# KiCad board panel.kicad_pcb (continued)
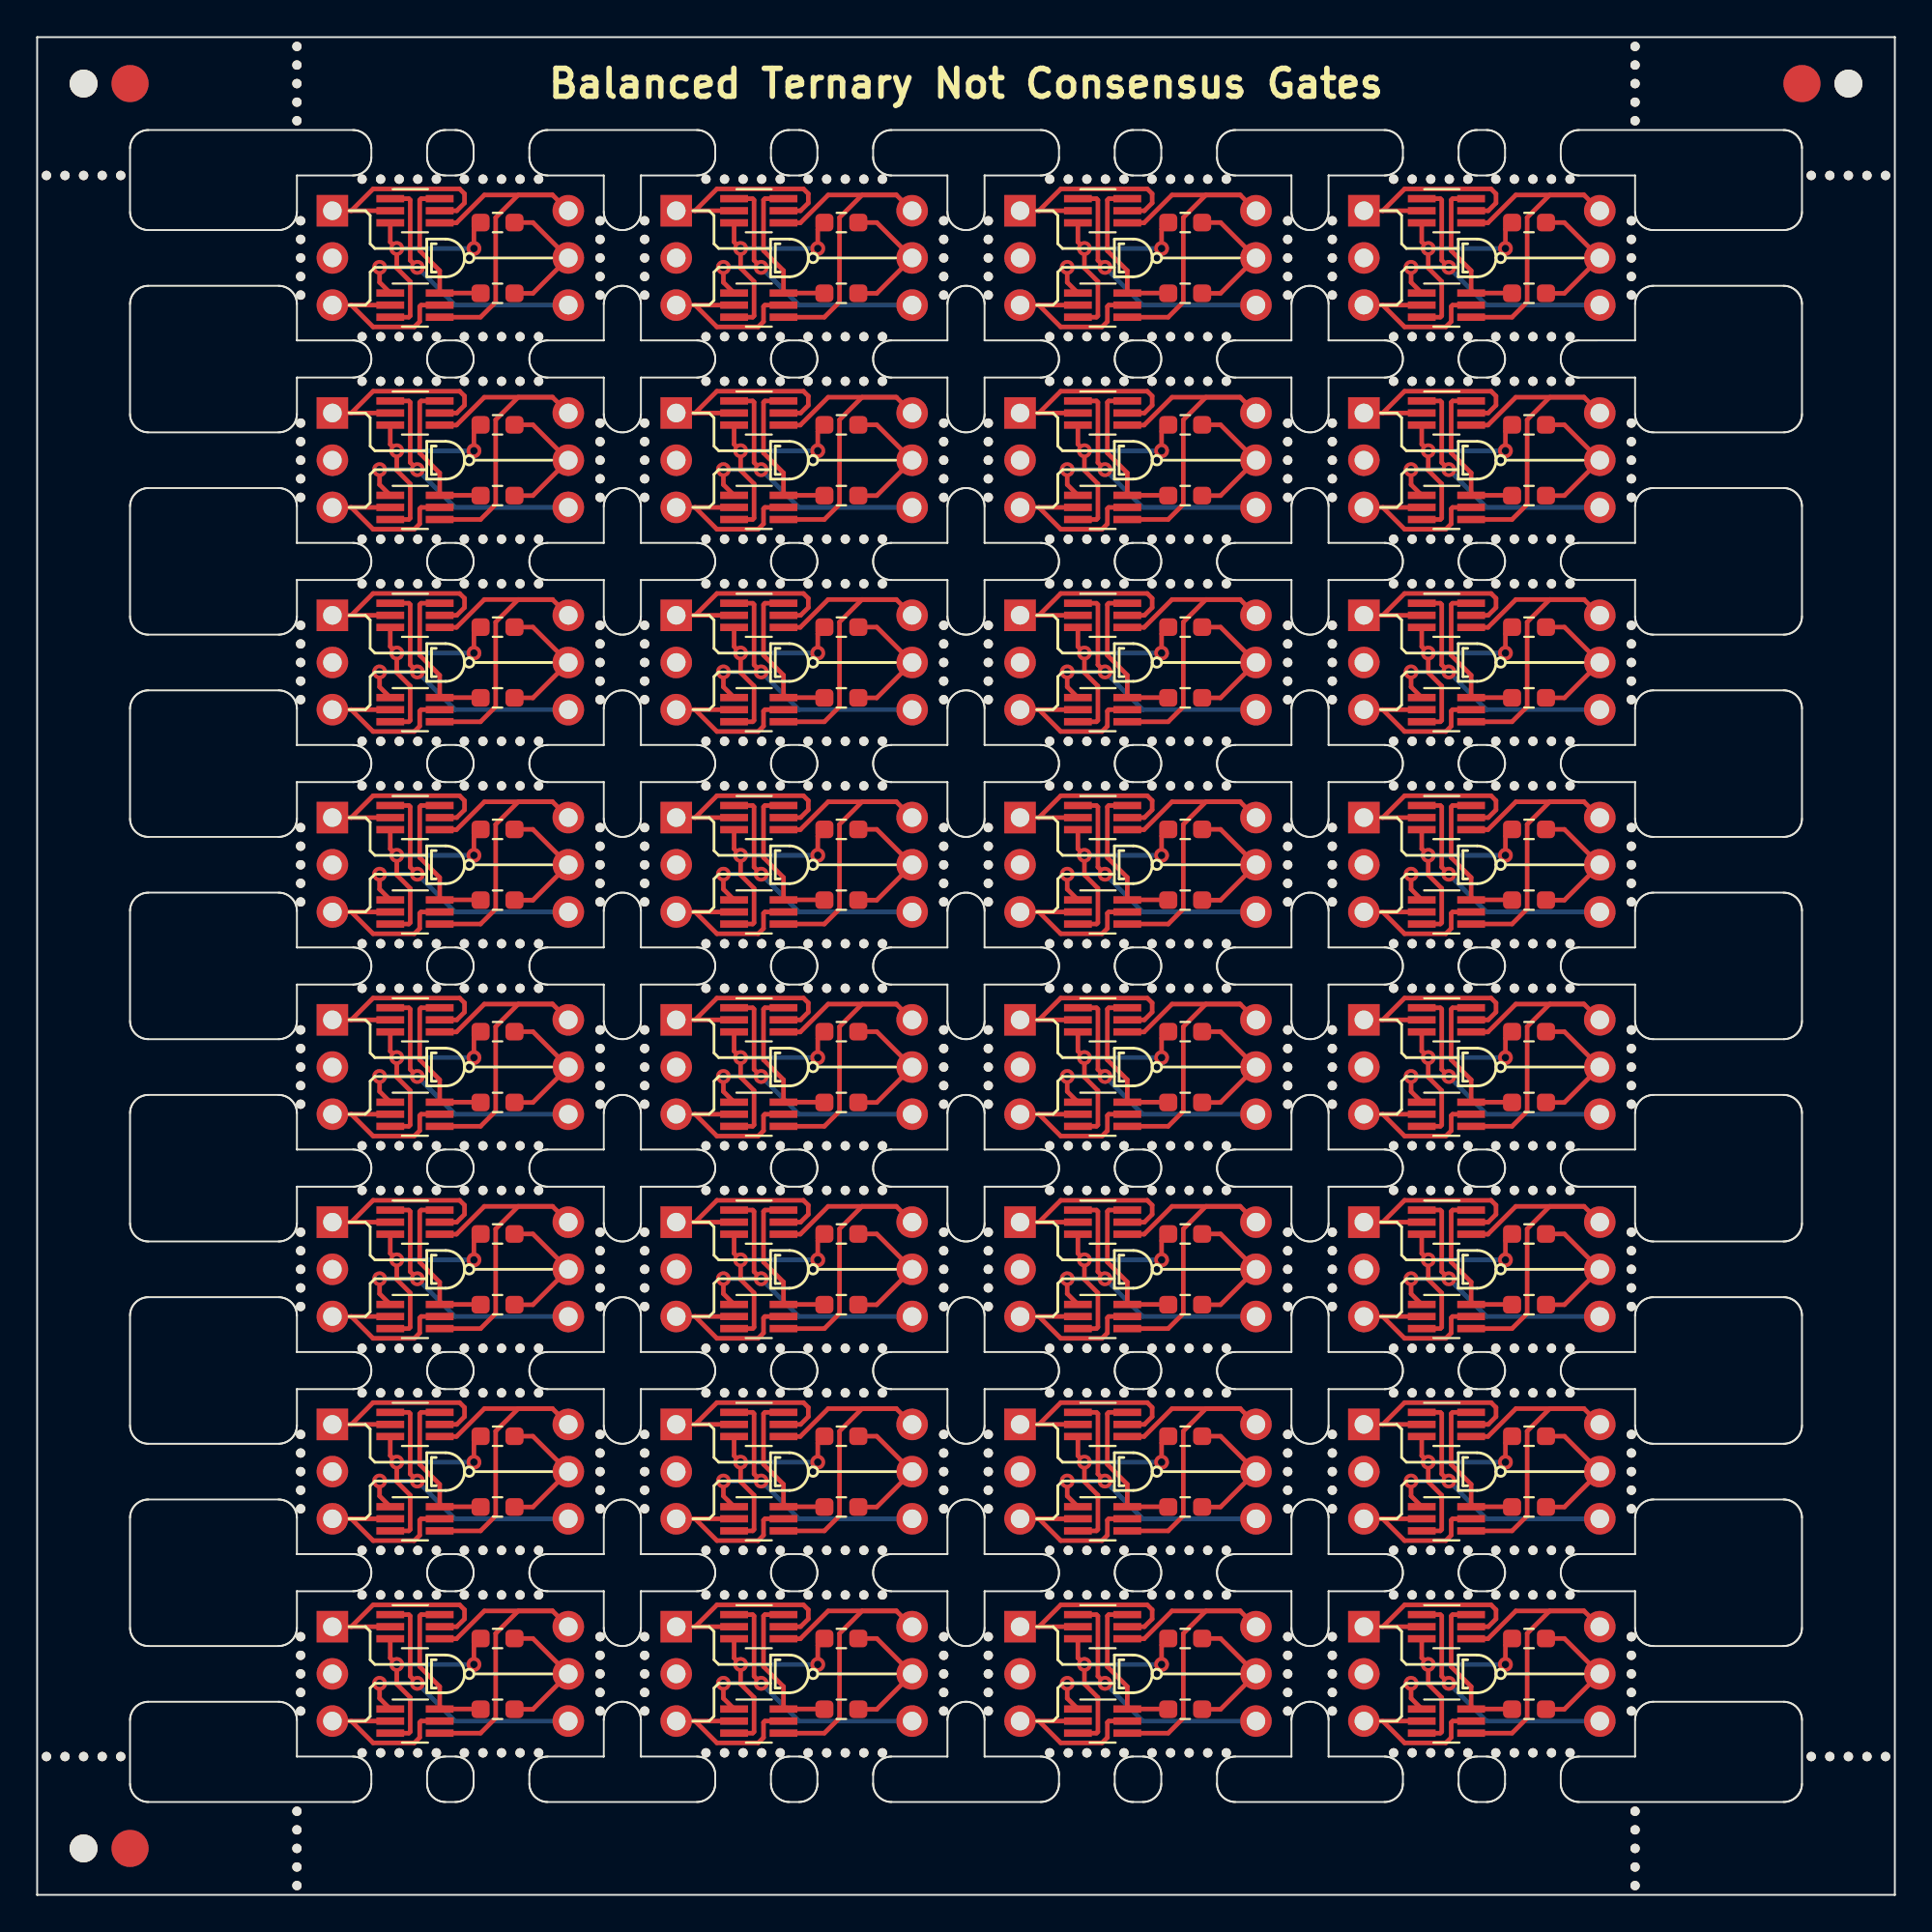
[diagram p0: board, top side]
## Placement (name value [footprint] x y rotation side) (continued)
REF**#884  -  [NPTH]  26 37.93 0 top
REF**#885  -  [NPTH]  48.8 87.13 0 top
REF**#886  -  [NPTH]  40.01 81.49 0 top
REF**#887  -  [NPTH]  75.03 59.71 0 top
REF**#888  -  [NPTH]  30.3 89.13 0 top
REF**#889  -  [NPTH]  41.51 40.33 0 top
REF**#890  -  [NPTH]  36.01 48.81 0 top
REF**#891  -  [NPTH]  26 62.11 0 top
REF**#892  -  [NPTH]  30.3 22.79 0 top
REF**#893  -  [NPTH]  60.02 62.11 0 top
REF**#894  -  [NPTH]  78.53 92.37 0 top
REF**#895  -  [NPTH]  32.7 67.35 0 top
REF**#896  -  [NPTH]  44.51 83.89 0 top
REF**#897  -  [NPTH]  82.53 16.15 0 top
REF**#898  -  [NPTH]  51.2 34.68 0 top
REF**#899  -  [NPTH]  37.01 83.89 0 top
REF**#900  -  [NPTH]  30.3 53.46 0 top
REF**#901  -  [NPTH]  86.03 98.51 0 top
REF**#902  -  [NPTH]  36.01 62.11 0 top
REF**#903  -  [NPTH]  45.51 62.11 0 top
REF**#904  -  [NPTH]  57.51 70.59 0 top
REF**#905  -  [NPTH]  51.2 79.24 0 top
REF**#906  -  [NPTH]  85.83 67.35 0 top
REF**#907  -  [NPTH]  30.3 12.9 0 top
REF**#908  -  [NPTH]  85.83 55.46 0 top
REF**#909  -  [NPTH]  67.33 53.46 0 top
REF**#910  -  [NPTH]  14.18 32.68 0 top
REF**#911  -  [NPTH]  36.01 70.59 0 top
REF**#912  -  [NPTH]  79.53 27.03 0 top
REF**#913  -  [NPTH]  54.51 37.93 0 top
REF**#914  -  [NPTH]  37.01 70.59 0 top
REF**#915  -  [NPTH]  51.2 43.57 0 top
REF**#916  -  [NPTH]  44.51 72.99 0 top
REF**#917  -  [NPTH]  57.51 37.93 0 top
REF**#918  -  [NPTH]  48.8 54.46 0 top
REF**#919  -  [NPTH]  20.49 7.65 0 top
REF**#920  -  [NPTH]  58.51 92.37 0 top
REF**#921  -  [NPTH]  14.18 13.9 0 top
REF**#922  -  [NPTH]  76.03 92.37 0 top
REF**#923  -  [NPTH]  78.53 40.33 0 top
REF**#924  -  [NPTH]  58.51 48.81 0 top
REF**#925  -  [NPTH]  64.02 83.89 0 top
REF**#926  -  [NPTH]  69.72 31.68 0 top
REF**#927  -  [NPTH]  75.03 51.21 0 top
REF**#928  -  [NPTH]  73.03 27.03 0 top
REF**#929  -  [NPTH]  85.83 65.35 0 top
REF**#930  -  [NPTH]  19.49 16.15 0 top
REF**#931  -  [NPTH]  23 7.65 0 top
REF**#932  -  [NPTH]  14.18 9.9 0 top
REF**#933  -  [NPTH]  78.53 72.99 0 top
REF**#934  -  [NPTH]  76.03 7.65 0 top
REF**#935  -  [NPTH]  57.51 59.71 0 top
REF**#936  -  [NPTH]  38.01 48.81 0 top
REF**#937  -  [NPTH]  55.51 72.99 0 top
REF**#938  -  [NPTH]  19.49 59.71 0 top
REF**#939  -  [NPTH]  25 40.33 0 top
REF**#940  -  [NPTH]  30.3 57.46 0 top
REF**#941  -  [NPTH]  26 81.49 0 top
REF**#942  -  [NPTH]  48.8 35.68 0 top
REF**#943  -  [NPTH]  14.18 44.57 0 top
REF**#944  -  [NPTH]  4.5 7.45 0 top
REF**#945  -  [NPTH]  37.01 92.37 0 top
REF**#946  -  [NPTH]  48.8 42.57 0 top
REF**#947  -  [NPTH]  48.8 31.68 0 top
REF**#948  -  [NPTH]  27 81.49 0 top
REF**#949  -  [NPTH]  41.51 27.03 0 top
REF**#950  -  [NPTH]  57.51 92.37 0 top
REF**#951  -  [NPTH]  32.7 9.9 0 top
REF**#952  -  [NPTH]  14.18 35.68 0 top
REF**#953  -  [NPTH]  27 62.11 0 top
REF**#954  -  [NPTH]  79.53 81.49 0 top
REF**#955  -  [NPTH]  97.51 92.57 0 top
REF**#956  -  [NPTH]  14.18 75.24 0 top
REF**#957  -  [NPTH]  69.72 55.46 0 top
REF**#958  -  [NPTH]  20.49 92.37 0 top
REF**#959  -  [NPTH]  45.51 16.15 0 top
REF**#960  -  [NPTH]  14.18 24.79 0 top
REF**#961  -  [NPTH]  85.83 88.13 0 top
REF**#962  -  [NPTH]  57.51 29.43 0 top
REF**#963  -  [NPTH]  44.51 7.65 0 top
REF**#964  -  [NPTH]  56.51 81.49 0 top
REF**#965  -  [NPTH]  44.51 81.49 0 top
REF**#966  -  [NPTH]  13.98 97.51 0 top
REF**#967  -  [NPTH]  14.18 20.79 0 top
REF**#968  -  [NPTH]  30.3 88.13 0 top
REF**#969  -  [NPTH]  37.01 51.21 0 top
REF**#970  -  [NPTH]  85.83 22.79 0 top
REF**#971  -  [NPTH]  43.51 59.71 0 top
REF**#972  -  [NPTH]  60.02 18.55 0 top
REF**#973  -  [NPTH]  75.03 81.49 0 top
REF**#974  -  [NPTH]  86.03 0.5 0 top
REF**#975  -  [NPTH]  69.72 10.9 0 top
REF**#976  -  [NPTH]  76.03 16.15 0 top
REF**#977  -  [NPTH]  55.51 29.43 0 top
REF**#978  -  [NPTH]  55.51 62.11 0 top
REF**#979  -  [NPTH]  51.2 35.68 0 top
REF**#980  -  [NPTH]  77.03 72.99 0 top
REF**#981  -  [NPTH]  85.83 53.46 0 top
REF**#982  -  [NPTH]  85.83 89.13 0 top
REF**#983  -  [NPTH]  13.98 98.51 0 top
REF**#984  -  [NPTH]  64.02 27.03 0 top
REF**#985  -  [NPTH]  26 48.81 0 top
REF**#986  -  [NPTH]  80.53 40.33 0 top
REF**#987  -  [NPTH]  61.02 18.55 0 top
REF**#988  -  [NPTH]  39.01 37.93 0 top
REF**#989  -  [NPTH]  40.01 7.65 0 top
REF**#990  -  [NPTH]  77.03 7.65 0 top
REF**#991  -  [NPTH]  23 37.93 0 top
REF**#992  -  [NPTH]  30.3 23.79 0 top
REF**#993  -  [NPTH]  69.72 79.24 0 top
REF**#994  -  [NPTH]  61.02 48.81 0 top
REF**#995  -  [NPTH]  32.7 33.68 0 top
REF**#996  -  [NPTH]  40.01 48.81 0 top
REF**#997  -  [NPTH]  44.51 70.59 0 top
REF**#998  -  [NPTH]  55.51 27.03 0 top
REF**#999  -  [NPTH]  19.49 18.55 0 top
REF**#1000  -  [NPTH]  41.51 7.65 0 top
REF**#1001  -  [NPTH#2]  97.51 97.51 0 top
REF**#1002  -  [NPTH]  77.03 51.21 0 top
REF**#1003  -  [NPTH]  55.51 7.65 0 top
REF**#1004  -  [NPTH]  30.3 42.57 0 top
REF**#1005  -  [NPTH]  18.49 51.21 0 top
REF**#1006  -  [NPTH]  85.83 13.9 0 top
REF**#1007  -  [Fiducial]  95.01 97.51 0 bottom
REF**#1008  -  [Fiducial]  5 2.5 0 bottom
REF**#1009  -  [Fiducial]  5 97.51 0 bottom

## Library data of the parts
J1 J1#2-J1#32 J2 J2#2-J2#32 = -: Spice_Netlist_Enabled: N; Spice_Primitive: J
Q1 Q1#2-Q1#32 Q2 Q2#2-Q2#32 = -: Spice_Lib_File: /lab/dev/tritium/library/TritiumSpice.lib; Spice_Model: BSS8402DW; Spice_Netlist_Enabled: Y; Spice_Primitive: X

## Footprints (pads in the part's own frame, mm; a bottom-side part is the same pattern mirrored in y, then rotated)
Fiducial
  round 2 smd: (0,0)
NPTH
  round 0.5 hole 0.5 unplated: (0,0)
NPTH#2
  round 1.5 hole 1.5 unplated: (0,0)
PinHeader_1x03_P2.54mm_Vertical_NoSilkscreen
  round 1.7 hole 1: 1(0,0)
  oval 1.7x1.7 hole 1: 2(0,-2.54) 3(0,-5.08)
PinHeader_1x03_P2.54mm_Vertical_NoSilkscreen#2
  rect 1.7x1.7 hole 1: 1(0,0)
  oval 1.7x1.7 hole 1: 2(0,-2.54) 3(0,-5.08)
R_0603_1608Metric_Pad0.98x0.95mm_HandSolder
  rrect 0.975x0.95 smd: 1(-0.912,0) 2(0.912,0)
SOT-363_SC-70-6_Handsoldering
  rect 1.5x0.4 smd: 1(-1.33,0.65) 2(-1.33,0) 3(-1.33,-0.65) 4(1.33,-0.65) 5(1.33,0) 6(1.33,0.65)

## Nets
Board_0-A: J1#22.3 Q2#7.2 Q2#7.5
Board_0-B: J1#22.1 Q1#2.2 Q1#2.5
Board_0-Net-(Q1-Pad3): Q1#2.3 Q2#7.3 R1#12.1
Board_0-Net-(Q1-Pad6): Q1#2.6 Q2#7.6 R2#18.2
Board_0-Out: J2#32.2 R1#12.2 R2#18.1
Board_0-unconnected-(J1-Pad2): J1#22.2
Board_0-VDD: J2#32.1 Q1#2.4 Q2#7.4
Board_0-VSS: J2#32.3 Q1#2.1 Q2#7.1
Board_1-A: J1#3.3 Q2#25.2 Q2#25.5
Board_1-B: J1#3.1 Q1#18.2 Q1#18.5
Board_1-Net-(Q1-Pad3): Q1#18.3 Q2#25.3 R1#8.1
Board_1-Net-(Q1-Pad6): Q1#18.6 Q2#25.6 R2#20.2
Board_1-Out: J2#29.2 R1#8.2 R2#20.1
Board_1-unconnected-(J1-Pad2): J1#3.2
Board_1-VDD: J2#29.1 Q1#18.4 Q2#25.4
Board_1-VSS: J2#29.3 Q1#18.1 Q2#25.1
Board_2-A: J1#12.3 Q2#27.2 Q2#27.5
Board_2-B: J1#12.1 Q1#25.2 Q1#25.5
Board_2-Net-(Q1-Pad3): Q1#25.3 Q2#27.3 R1.1
Board_2-Net-(Q1-Pad6): Q1#25.6 Q2#27.6 R2#16.2
Board_2-Out: J2#4.2 R1.2 R2#16.1
Board_2-unconnected-(J1-Pad2): J1#12.2
Board_2-VDD: J2#4.1 Q1#25.4 Q2#27.4
Board_2-VSS: J2#4.3 Q1#25.1 Q2#27.1
Board_3-A: J1#11.3 Q2#10.2 Q2#10.5
Board_3-B: J1#11.1 Q1#15.2 Q1#15.5
Board_3-Net-(Q1-Pad3): Q1#15.3 Q2#10.3 R1#26.1
Board_3-Net-(Q1-Pad6): Q1#15.6 Q2#10.6 R2#17.2
Board_3-Out: J2#11.2 R1#26.2 R2#17.1
Board_3-unconnected-(J1-Pad2): J1#11.2
Board_3-VDD: J2#11.1 Q1#15.4 Q2#10.4
Board_3-VSS: J2#11.3 Q1#15.1 Q2#10.1
Board_4-A: J1#30.3 Q2#14.2 Q2#14.5
Board_4-B: J1#30.1 Q1#28.2 Q1#28.5
Board_4-Net-(Q1-Pad3): Q1#28.3 Q2#14.3 R1#16.1
Board_4-Net-(Q1-Pad6): Q1#28.6 Q2#14.6 R2#2.2
Board_4-Out: J2#28.2 R1#16.2 R2#2.1
Board_4-unconnected-(J1-Pad2): J1#30.2
Board_4-VDD: J2#28.1 Q1#28.4 Q2#14.4
Board_4-VSS: J2#28.3 Q1#28.1 Q2#14.1
Board_5-A: J1#13.3 Q2#2.2 Q2#2.5
Board_5-B: J1#13.1 Q1#8.2 Q1#8.5
Board_5-Net-(Q1-Pad3): Q1#8.3 Q2#2.3 R1#14.1
Board_5-Net-(Q1-Pad6): Q1#8.6 Q2#2.6 R2#28.2
Board_5-Out: J2.2 R1#14.2 R2#28.1
Board_5-unconnected-(J1-Pad2): J1#13.2
Board_5-VDD: J2.1 Q1#8.4 Q2#2.4
Board_5-VSS: J2.3 Q1#8.1 Q2#2.1
Board_6-A: J1#14.3 Q2#15.2 Q2#15.5
Board_6-B: J1#14.1 Q1#14.2 Q1#14.5
Board_6-Net-(Q1-Pad3): Q1#14.3 Q2#15.3 R1#19.1
Board_6-Net-(Q1-Pad6): Q1#14.6 Q2#15.6 R2#4.2
Board_6-Out: J2#7.2 R1#19.2 R2#4.1
Board_6-unconnected-(J1-Pad2): J1#14.2
Board_6-VDD: J2#7.1 Q1#14.4 Q2#15.4
Board_6-VSS: J2#7.3 Q1#14.1 Q2#15.1
Board_7-A: J1#16.3 Q2#23.2 Q2#23.5
Board_7-B: J1#16.1 Q1#6.2 Q1#6.5
Board_7-Net-(Q1-Pad3): Q1#6.3 Q2#23.3 R1#32.1
Board_7-Net-(Q1-Pad6): Q1#6.6 Q2#23.6 R2#14.2
Board_7-Out: J2#27.2 R1#32.2 R2#14.1
Board_7-unconnected-(J1-Pad2): J1#16.2
Board_7-VDD: J2#27.1 Q1#6.4 Q2#23.4
Board_7-VSS: J2#27.3 Q1#6.1 Q2#23.1
Board_8-A: J1#25.3 Q2#28.2 Q2#28.5
Board_8-B: J1#25.1 Q1#26.2 Q1#26.5
Board_8-Net-(Q1-Pad3): Q1#26.3 Q2#28.3 R1#2.1
Board_8-Net-(Q1-Pad6): Q1#26.6 Q2#28.6 R2#10.2
Board_8-Out: J2#12.2 R1#2.2 R2#10.1
Board_8-unconnected-(J1-Pad2): J1#25.2
Board_8-VDD: J2#12.1 Q1#26.4 Q2#28.4
Board_8-VSS: J2#12.3 Q1#26.1 Q2#28.1
Board_9-A: J1#29.3 Q2#4.2 Q2#4.5
Board_9-B: J1#29.1 Q1#7.2 Q1#7.5
Board_9-Net-(Q1-Pad3): Q1#7.3 Q2#4.3 R1#17.1
Board_9-Net-(Q1-Pad6): Q1#7.6 Q2#4.6 R2.2
Board_9-Out: J2#19.2 R1#17.2 R2.1
Board_9-unconnected-(J1-Pad2): J1#29.2
Board_9-VDD: J2#19.1 Q1#7.4 Q2#4.4
Board_9-VSS: J2#19.3 Q1#7.1 Q2#4.1
Board_10-A: J1#5.3 Q2#12.2 Q2#12.5
Board_10-B: J1#5.1 Q1#23.2 Q1#23.5
Board_10-Net-(Q1-Pad3): Q1#23.3 Q2#12.3 R1#25.1
Board_10-Net-(Q1-Pad6): Q1#23.6 Q2#12.6 R2#31.2
Board_10-Out: J2#2.2 R1#25.2 R2#31.1
Board_10-unconnected-(J1-Pad2): J1#5.2
Board_10-VDD: J2#2.1 Q1#23.4 Q2#12.4
Board_10-VSS: J2#2.3 Q1#23.1 Q2#12.1
Board_11-A: J1#6.3 Q2#6.2 Q2#6.5
Board_11-B: J1#6.1 Q1#22.2 Q1#22.5
Board_11-Net-(Q1-Pad3): Q1#22.3 Q2#6.3 R1#30.1
Board_11-Net-(Q1-Pad6): Q1#22.6 Q2#6.6 R2#13.2
Board_11-Out: J2#14.2 R1#30.2 R2#13.1
Board_11-unconnected-(J1-Pad2): J1#6.2
Board_11-VDD: J2#14.1 Q1#22.4 Q2#6.4
Board_11-VSS: J2#14.3 Q1#22.1 Q2#6.1
Board_12-A: J1#26.3 Q2#21.2 Q2#21.5
Board_12-B: J1#26.1 Q1#12.2 Q1#12.5
Board_12-Net-(Q1-Pad3): Q1#12.3 Q2#21.3 R1#29.1
Board_12-Net-(Q1-Pad6): Q1#12.6 Q2#21.6 R2#27.2
Board_12-Out: J2#8.2 R1#29.2 R2#27.1
Board_12-unconnected-(J1-Pad2): J1#26.2
Board_12-VDD: J2#8.1 Q1#12.4 Q2#21.4
Board_12-VSS: J2#8.3 Q1#12.1 Q2#21.1
Board_13-A: J1#4.3 Q2#32.2 Q2#32.5
Board_13-B: J1#4.1 Q1#30.2 Q1#30.5
Board_13-Net-(Q1-Pad3): Q1#30.3 Q2#32.3 R1#28.1
Board_13-Net-(Q1-Pad6): Q1#30.6 Q2#32.6 R2#22.2
Board_13-Out: J2#25.2 R1#28.2 R2#22.1
Board_13-unconnected-(J1-Pad2): J1#4.2
Board_13-VDD: J2#25.1 Q1#30.4 Q2#32.4
Board_13-VSS: J2#25.3 Q1#30.1 Q2#32.1
Board_14-A: J1#31.3 Q2#5.2 Q2#5.5
Board_14-B: J1#31.1 Q1#19.2 Q1#19.5
Board_14-Net-(Q1-Pad3): Q1#19.3 Q2#5.3 R1#9.1
Board_14-Net-(Q1-Pad6): Q1#19.6 Q2#5.6 R2#9.2
Board_14-Out: J2#16.2 R1#9.2 R2#9.1
Board_14-unconnected-(J1-Pad2): J1#31.2
Board_14-VDD: J2#16.1 Q1#19.4 Q2#5.4
Board_14-VSS: J2#16.3 Q1#19.1 Q2#5.1
Board_15-A: J1#20.3 Q2#31.2 Q2#31.5
Board_15-B: J1#20.1 Q1#16.2 Q1#16.5
Board_15-Net-(Q1-Pad3): Q1#16.3 Q2#31.3 R1#15.1
Board_15-Net-(Q1-Pad6): Q1#16.6 Q2#31.6 R2#15.2
Board_15-Out: J2#26.2 R1#15.2 R2#15.1
Board_15-unconnected-(J1-Pad2): J1#20.2
Board_15-VDD: J2#26.1 Q1#16.4 Q2#31.4
Board_15-VSS: J2#26.3 Q1#16.1 Q2#31.1
Board_16-A: J1#24.3 Q2#29.2 Q2#29.5
Board_16-B: J1#24.1 Q1#5.2 Q1#5.5
Board_16-Net-(Q1-Pad3): Q1#5.3 Q2#29.3 R1#7.1
Board_16-Net-(Q1-Pad6): Q1#5.6 Q2#29.6 R2#11.2
Board_16-Out: J2#30.2 R1#7.2 R2#11.1
Board_16-unconnected-(J1-Pad2): J1#24.2
Board_16-VDD: J2#30.1 Q1#5.4 Q2#29.4
Board_16-VSS: J2#30.3 Q1#5.1 Q2#29.1
Board_17-A: J1.3 Q2#30.2 Q2#30.5
Board_17-B: J1.1 Q1#10.2 Q1#10.5
Board_17-Net-(Q1-Pad3): Q1#10.3 Q2#30.3 R1#10.1
Board_17-Net-(Q1-Pad6): Q1#10.6 Q2#30.6 R2#24.2
Board_17-Out: J2#18.2 R1#10.2 R2#24.1
Board_17-unconnected-(J1-Pad2): J1.2
Board_17-VDD: J2#18.1 Q1#10.4 Q2#30.4
Board_17-VSS: J2#18.3 Q1#10.1 Q2#30.1
Board_18-A: J1#9.3 Q2#19.2 Q2#19.5
Board_18-B: J1#9.1 Q1#24.2 Q1#24.5
Board_18-Net-(Q1-Pad3): Q1#24.3 Q2#19.3 R1#11.1
Board_18-Net-(Q1-Pad6): Q1#24.6 Q2#19.6 R2#32.2
Board_18-Out: J2#17.2 R1#11.2 R2#32.1
Board_18-unconnected-(J1-Pad2): J1#9.2
Board_18-VDD: J2#17.1 Q1#24.4 Q2#19.4
Board_18-VSS: J2#17.3 Q1#24.1 Q2#19.1
Board_19-A: J1#19.3 Q2.2 Q2.5
Board_19-B: J1#19.1 Q1#9.2 Q1#9.5
Board_19-Net-(Q1-Pad3): Q1#9.3 Q2.3 R1#3.1
Board_19-Net-(Q1-Pad6): Q1#9.6 Q2.6 R2#29.2
Board_19-Out: J2#22.2 R1#3.2 R2#29.1
Board_19-unconnected-(J1-Pad2): J1#19.2
Board_19-VDD: J2#22.1 Q1#9.4 Q2.4
Board_19-VSS: J2#22.3 Q1#9.1 Q2.1
Board_20-A: J1#2.3 Q2#20.2 Q2#20.5
Board_20-B: J1#2.1 Q1#31.2 Q1#31.5
Board_20-Net-(Q1-Pad3): Q1#31.3 Q2#20.3 R1#6.1
Board_20-Net-(Q1-Pad6): Q1#31.6 Q2#20.6 R2#23.2
Board_20-Out: J2#9.2 R1#6.2 R2#23.1
Board_20-unconnected-(J1-Pad2): J1#2.2
Board_20-VDD: J2#9.1 Q1#31.4 Q2#20.4
Board_20-VSS: J2#9.3 Q1#31.1 Q2#20.1
Board_21-A: J1#7.3 Q2#22.2 Q2#22.5
Board_21-B: J1#7.1 Q1#11.2 Q1#11.5
Board_21-Net-(Q1-Pad3): Q1#11.3 Q2#22.3 R1#21.1
Board_21-Net-(Q1-Pad6): Q1#11.6 Q2#22.6 R2#26.2
Board_21-Out: J2#15.2 R1#21.2 R2#26.1
Board_21-unconnected-(J1-Pad2): J1#7.2
Board_21-VDD: J2#15.1 Q1#11.4 Q2#22.4
Board_21-VSS: J2#15.3 Q1#11.1 Q2#22.1
Board_22-A: J1#10.3 Q2#17.2 Q2#17.5
Board_22-B: J1#10.1 Q1#4.2 Q1#4.5
Board_22-Net-(Q1-Pad3): Q1#4.3 Q2#17.3 R1#4.1
Board_22-Net-(Q1-Pad6): Q1#4.6 Q2#17.6 R2#7.2
Board_22-Out: J2#13.2 R1#4.2 R2#7.1
Board_22-unconnected-(J1-Pad2): J1#10.2
Board_22-VDD: J2#13.1 Q1#4.4 Q2#17.4
Board_22-VSS: J2#13.3 Q1#4.1 Q2#17.1
Board_23-A: J1#15.3 Q2#18.2 Q2#18.5
Board_23-B: J1#15.1 Q1#27.2 Q1#27.5
Board_23-Net-(Q1-Pad3): Q1#27.3 Q2#18.3 R1#27.1
Board_23-Net-(Q1-Pad6): Q1#27.6 Q2#18.6 R2#8.2
Board_23-Out: J2#10.2 R1#27.2 R2#8.1
Board_23-unconnected-(J1-Pad2): J1#15.2
Board_23-VDD: J2#10.1 Q1#27.4 Q2#18.4
Board_23-VSS: J2#10.3 Q1#27.1 Q2#18.1
Board_24-A: J1#23.3 Q2#16.2 Q2#16.5
Board_24-B: J1#23.1 Q1#29.2 Q1#29.5
Board_24-Net-(Q1-Pad3): Q1#29.3 Q2#16.3 R1#23.1
Board_24-Net-(Q1-Pad6): Q1#29.6 Q2#16.6 R2#5.2
Board_24-Out: J2#20.2 R1#23.2 R2#5.1
Board_24-unconnected-(J1-Pad2): J1#23.2
Board_24-VDD: J2#20.1 Q1#29.4 Q2#16.4
Board_24-VSS: J2#20.3 Q1#29.1 Q2#16.1
Board_25-A: J1#17.3 Q2#13.2 Q2#13.5
Board_25-B: J1#17.1 Q1#13.2 Q1#13.5
Board_25-Net-(Q1-Pad3): Q1#13.3 Q2#13.3 R1#31.1
Board_25-Net-(Q1-Pad6): Q1#13.6 Q2#13.6 R2#30.2
Board_25-Out: J2#23.2 R1#31.2 R2#30.1
Board_25-unconnected-(J1-Pad2): J1#17.2
Board_25-VDD: J2#23.1 Q1#13.4 Q2#13.4
Board_25-VSS: J2#23.3 Q1#13.1 Q2#13.1
Board_26-A: J1#18.3 Q2#8.2 Q2#8.5
Board_26-B: J1#18.1 Q1#32.2 Q1#32.5
Board_26-Net-(Q1-Pad3): Q1#32.3 Q2#8.3 R1#5.1
Board_26-Net-(Q1-Pad6): Q1#32.6 Q2#8.6 R2#3.2
Board_26-Out: J2#31.2 R1#5.2 R2#3.1
Board_26-unconnected-(J1-Pad2): J1#18.2
Board_26-VDD: J2#31.1 Q1#32.4 Q2#8.4
Board_26-VSS: J2#31.3 Q1#32.1 Q2#8.1
Board_27-A: J1#28.3 Q2#24.2 Q2#24.5
Board_27-B: J1#28.1 Q1.2 Q1.5
Board_27-Net-(Q1-Pad3): Q1.3 Q2#24.3 R1#20.1
Board_27-Net-(Q1-Pad6): Q1.6 Q2#24.6 R2#21.2
Board_27-Out: J2#6.2 R1#20.2 R2#21.1
Board_27-unconnected-(J1-Pad2): J1#28.2
Board_27-VDD: J2#6.1 Q1.4 Q2#24.4
Board_27-VSS: J2#6.3 Q1.1 Q2#24.1
Board_28-A: J1#21.3 Q2#3.2 Q2#3.5
Board_28-B: J1#21.1 Q1#3.2 Q1#3.5
Board_28-Net-(Q1-Pad3): Q1#3.3 Q2#3.3 R1#13.1
Board_28-Net-(Q1-Pad6): Q1#3.6 Q2#3.6 R2#19.2
Board_28-Out: J2#21.2 R1#13.2 R2#19.1
Board_28-unconnected-(J1-Pad2): J1#21.2
Board_28-VDD: J2#21.1 Q1#3.4 Q2#3.4
Board_28-VSS: J2#21.3 Q1#3.1 Q2#3.1
Board_29-A: J1#27.3 Q2#9.2 Q2#9.5
Board_29-B: J1#27.1 Q1#20.2 Q1#20.5
Board_29-Net-(Q1-Pad3): Q1#20.3 Q2#9.3 R1#18.1
Board_29-Net-(Q1-Pad6): Q1#20.6 Q2#9.6 R2#6.2
Board_29-Out: J2#3.2 R1#18.2 R2#6.1
Board_29-unconnected-(J1-Pad2): J1#27.2
Board_29-VDD: J2#3.1 Q1#20.4 Q2#9.4
Board_29-VSS: J2#3.3 Q1#20.1 Q2#9.1
Board_30-A: J1#32.3 Q2#11.2 Q2#11.5
Board_30-B: J1#32.1 Q1#17.2 Q1#17.5
Board_30-Net-(Q1-Pad3): Q1#17.3 Q2#11.3 R1#24.1
Board_30-Net-(Q1-Pad6): Q1#17.6 Q2#11.6 R2#25.2
Board_30-Out: J2#24.2 R1#24.2 R2#25.1
Board_30-unconnected-(J1-Pad2): J1#32.2
Board_30-VDD: J2#24.1 Q1#17.4 Q2#11.4
Board_30-VSS: J2#24.3 Q1#17.1 Q2#11.1
Board_31-A: J1#8.3 Q2#26.2 Q2#26.5
Board_31-B: J1#8.1 Q1#21.2 Q1#21.5
Board_31-Net-(Q1-Pad3): Q1#21.3 Q2#26.3 R1#22.1
Board_31-Net-(Q1-Pad6): Q1#21.6 Q2#26.6 R2#12.2
Board_31-Out: J2#5.2 R1#22.2 R2#12.1
Board_31-unconnected-(J1-Pad2): J1#8.2
Board_31-VDD: J2#5.1 Q1#21.4 Q2#26.4
Board_31-VSS: J2#5.3 Q1#21.1 Q2#26.1

## Via types
v1: diameter 0.8, hole 0.4, Top to Bottom, 128 vias

## Routing (per net, layer and track width the routed paths; a pad name or vN(x,y) marks a point on that pad's centre or on a via; arc(x,y) is an arc through that point)
Board_0-A: length 9.3
  Top w0.25: Q2#7.5 20.67,85.59 20.59,85.51 20.59,84.7 20.31,84.41 18.09,84.41 16.91,85.59 ; J1#22.3 16.91,85.59 ; 16.91,85.59 Q2#7.2
Board_0-B: length 11.8
  Top w0.25: 16.91,90.67 Q1#2.2 ; 16.91,90.67 J1#22.1 ; 16.91,90.67 18.09,91.84 22.74,91.84 23.01,91.58 23.01,91.08 22.59,90.67 Q1#2.5
Board_0-Net-(Q1-Pad3): length 12.3
  Top w0.25: Q1#2.3 19.01,88.98 v1(19.36,88.63) 19.36,87.58 20.09,86.86 20.09,85.01 20.01,84.94 Q2#7.3 ; R1#12.1 23.52,89.67 v1(23.52,88.63)
  Bottom w0.25: v1(23.52,88.63) v1(19.36,88.63)
Board_0-Net-(Q1-Pad6): length 8.8
  Top w0.25: R2#18.2 23.86,86.24 Q2#7.6 21.67,87.44 20.59,88.51 20.59,91.24 20.67,91.32 Q1#2.6
Board_0-Out: length 7.4
  Top w0.25: R2#18.1 26.69,86.22 J2#32.2 26.69,90.03 R1#12.2
Board_0-VDD: length 19.4
  Top w0.25: Q1#2.4 22.57,90.02 24.07,91.52 27.74,91.52 ; 27.74,91.52 J2#32.1 ; 27.74,91.52 25.9,91.52 24.69,90.3 24.69,85.75 23.87,84.94 Q2#7.4
Board_0-VSS: length 17.5
  Top w0.25: v1(20.47,87.62) 20.09,88 20.09,91.24 20.01,91.32 Q1#2.1 ; Q2#7.1 18.44,86.81 v1(18.44,87.62)
  Bottom w0.25: J2#32.3 22.5,85.59 v1(20.47,87.62) v1(18.44,87.62)
Board_1-A: length 9.3
  Top w0.25: 35.42,85.59 36.6,84.41 38.82,84.41 39.1,84.7 39.1,85.51 39.18,85.59 Q2#25.5 ; 35.42,85.59 Q2#25.2 ; 35.42,85.59 J1#3.3
Board_1-B: length 11.8
  Top w0.25: Q1#18.5 41.1,90.67 41.52,91.08 41.52,91.58 41.26,91.84 36.6,91.84 35.42,90.67 ; 35.42,90.67 Q1#18.2 ; 35.42,90.67 J1#3.1
Board_1-Net-(Q1-Pad3): length 12.3
  Top w0.25: Q2#25.3 38.52,84.94 38.59,85.01 38.59,86.86 37.87,87.58 v1(37.87,88.63) 37.52,88.98 Q1#18.3 ; R1#8.1 42.02,89.67 v1(42.02,88.63)
  Bottom w0.25: v1(42.02,88.63) v1(37.87,88.63)
Board_1-Net-(Q1-Pad6): length 8.8
  Top w0.25: R2#20.2 42.37,86.24 Q2#25.6 40.18,87.44 39.1,88.51 39.1,91.24 39.18,91.32 Q1#18.6
Board_1-Out: length 7.4
  Top w0.25: R1#8.2 45.2,90.03 J2#29.2 45.2,86.22 R2#20.1
Board_1-VDD: length 19.4
  Top w0.25: Q1#18.4 41.08,90.02 42.58,91.52 46.26,91.52 ; 46.26,91.52 44.41,91.52 43.2,90.3 43.2,85.75 42.38,84.94 Q2#25.4 ; 46.26,91.52 J2#29.1
Board_1-VSS: length 17.5
  Top w0.25: v1(38.98,87.62) 38.59,88 38.59,91.24 38.52,91.32 Q1#18.1 ; Q2#25.1 36.95,86.81 v1(36.95,87.62)
  Bottom w0.25: J2#29.3 41.01,85.59 v1(38.98,87.62) v1(36.95,87.62)
Board_2-A: length 9.3
  Top w0.25: 53.93,85.59 Q2#27.2 ; 53.93,85.59 55.11,84.41 57.33,84.41 57.61,84.7 57.61,85.51 57.69,85.59 Q2#27.5 ; 53.93,85.59 J1#12.3
Board_2-B: length 11.8
  Top w0.25: 53.93,90.67 55.11,91.84 59.77,91.84 60.03,91.58 60.03,91.08 59.61,90.67 Q1#25.5 ; 53.93,90.67 J1#12.1 ; 53.93,90.67 Q1#25.2
Board_2-Net-(Q1-Pad3): length 12.3
  Top w0.25: Q2#27.3 57.03,84.94 57.11,85.01 57.11,86.86 56.38,87.58 v1(56.38,88.63) 56.03,88.98 Q1#25.3 ; v1(60.53,88.63) 60.53,89.67 R1.1
  Bottom w0.25: v1(60.53,88.63) v1(56.38,88.63)
Board_2-Net-(Q1-Pad6): length 8.8
  Top w0.25: R2#16.2 60.88,86.24 Q2#27.6 58.69,87.44 57.61,88.51 57.61,91.24 57.69,91.32 Q1#25.6
Board_2-Out: length 7.4
  Top w0.25: R1.2 63.71,90.03 J2#4.2 63.71,86.22 R2#16.1
Board_2-VDD: length 19.4
  Top w0.25: Q1#25.4 59.59,90.02 61.09,91.52 64.77,91.52 ; Q2#27.4 60.89,84.94 61.7,85.75 61.7,90.3 62.92,91.52 64.77,91.52 ; 64.77,91.52 J2#4.1
Board_2-VSS: length 17.5
  Top w0.25: Q1#25.1 57.03,91.32 57.11,91.24 57.11,88 v1(57.49,87.62) ; v1(55.45,87.62) 55.45,86.81 Q2#27.1
  Bottom w0.25: v1(55.45,87.62) v1(57.49,87.62) 59.52,85.59 J2#4.3
Board_3-A: length 9.3
  Top w0.25: 72.44,85.59 Q2#10.2 ; 72.44,85.59 J1#11.3 ; 72.44,85.59 73.62,84.41 75.84,84.41 76.12,84.7 76.12,85.51 76.2,85.59 Q2#10.5
Board_3-B: length 11.8
  Top w0.25: 72.44,90.67 Q1#15.2 ; 72.44,90.67 73.62,91.84 78.28,91.84 78.54,91.58 78.54,91.08 78.12,90.67 Q1#15.5 ; 72.44,90.67 J1#11.1
Board_3-Net-(Q1-Pad3): length 12.3
  Top w0.25: Q2#10.3 75.54,84.94 75.61,85.01 75.61,86.86 74.89,87.58 v1(74.89,88.63) 74.54,88.98 Q1#15.3 ; v1(79.05,88.63) 79.05,89.67 R1#26.1
  Bottom w0.25: v1(79.05,88.63) v1(74.89,88.63)
Board_3-Net-(Q1-Pad6): length 8.8
  Top w0.25: Q1#15.6 76.2,91.32 76.12,91.24 76.12,88.51 77.2,87.44 Q2#10.6 79.39,86.24 R2#17.2
Board_3-Out: length 7.4
  Top w0.25: R1#26.2 82.22,90.03 J2#11.2 82.22,86.22 R2#17.1
Board_3-VDD: length 19.4
  Top w0.25: Q1#15.4 78.1,90.02 79.6,91.52 83.28,91.52 ; 83.28,91.52 81.43,91.52 80.22,90.3 80.22,85.75 79.4,84.94 Q2#10.4 ; 83.28,91.52 J2#11.1
Board_3-VSS: length 17.5
  Top w0.25: v1(76,87.62) 75.61,88 75.61,91.24 75.54,91.32 Q1#15.1 ; v1(73.97,87.62) 73.97,86.81 Q2#10.1
  Bottom w0.25: v1(73.97,87.62) v1(76,87.62) 78.03,85.59 J2#11.3
Board_4-A: length 9.3
  Top w0.25: J1#30.3 16.91,74.7 ; 16.91,74.7 Q2#14.2 ; 16.91,74.7 18.09,73.52 20.31,73.52 20.59,73.81 20.59,74.62 20.67,74.7 Q2#14.5
Board_4-B: length 11.8
  Top w0.25: J1#30.1 16.91,79.78 ; 16.91,79.78 Q1#28.2 ; 16.91,79.78 18.09,80.95 22.74,80.95 23.01,80.69 23.01,80.19 22.59,79.78 Q1#28.5
Board_4-Net-(Q1-Pad3): length 12.3
  Top w0.25: R1#16.1 23.52,78.78 v1(23.52,77.74) ; Q2#14.3 20.01,74.05 20.09,74.12 20.09,75.97 19.36,76.69 v1(19.36,77.74) 19.01,78.09 Q1#28.3
  Bottom w0.25: v1(23.52,77.74) v1(19.36,77.74)
Board_4-Net-(Q1-Pad6): length 8.8
  Top w0.25: Q1#28.6 20.67,80.43 20.59,80.35 20.59,77.62 21.67,76.55 Q2#14.6 23.86,75.35 R2#2.2
Board_4-Out: length 7.4
  Top w0.25: R2#2.1 26.69,75.33 J2#28.2 26.69,79.14 R1#16.2
Board_4-VDD: length 19.4
  Top w0.25: 27.74,80.63 25.9,80.63 24.69,79.41 24.69,74.86 23.87,74.05 Q2#14.4 ; 27.74,80.63 24.07,80.63 22.57,79.13 Q1#28.4 ; 27.74,80.63 J2#28.1
Board_4-VSS: length 17.5
  Top w0.25: Q2#14.1 18.44,75.92 v1(18.44,76.73) ; Q1#28.1 20.01,80.43 20.09,80.35 20.09,77.11 v1(20.47,76.73)
  Bottom w0.25: v1(18.44,76.73) v1(20.47,76.73) 22.5,74.7 J2#28.3
Board_5-A: length 9.3
  Top w0.25: 35.42,74.7 36.6,73.52 38.82,73.52 39.1,73.81 39.1,74.62 39.18,74.7 Q2#2.5 ; 35.42,74.7 Q2#2.2 ; 35.42,74.7 J1#13.3
Board_5-B: length 11.8
  Top w0.25: 35.42,79.78 Q1#8.2 ; 35.42,79.78 J1#13.1 ; 35.42,79.78 36.6,80.95 41.26,80.95 41.52,80.69 41.52,80.19 41.1,79.78 Q1#8.5
Board_5-Net-(Q1-Pad3): length 12.3
  Top w0.25: R1#14.1 42.02,78.78 v1(42.02,77.74) ; Q1#8.3 37.52,78.09 v1(37.87,77.74) 37.87,76.69 38.59,75.97 38.59,74.12 38.52,74.05 Q2#2.3
  Bottom w0.25: v1(42.02,77.74) v1(37.87,77.74)
Board_5-Net-(Q1-Pad6): length 8.8
  Top w0.25: Q1#8.6 39.18,80.43 39.1,80.35 39.1,77.62 40.18,76.55 Q2#2.6 42.37,75.35 R2#28.2
Board_5-Out: length 7.4
  Top w0.25: R2#28.1 45.2,75.33 J2.2 45.2,79.14 R1#14.2
Board_5-VDD: length 19.4
  Top w0.25: 46.26,80.63 42.58,80.63 41.08,79.13 Q1#8.4 ; 46.26,80.63 44.41,80.63 43.2,79.41 43.2,74.86 42.38,74.05 Q2#2.4 ; 46.26,80.63 J2.1
Board_5-VSS: length 17.5
  Top w0.25: Q2#2.1 36.95,75.92 v1(36.95,76.73) ; v1(38.98,76.73) 38.59,77.11 38.59,80.35 38.52,80.43 Q1#8.1
  Bottom w0.25: J2.3 41.01,74.7 v1(38.98,76.73) v1(36.95,76.73)
Board_6-A: length 9.3
  Top w0.25: 53.93,74.7 55.11,73.52 57.33,73.52 57.61,73.81 57.61,74.62 57.69,74.7 Q2#15.5 ; 53.93,74.7 Q2#15.2 ; 53.93,74.7 J1#14.3
Board_6-B: length 11.8
  Top w0.25: J1#14.1 53.93,79.78 ; 53.93,79.78 55.11,80.95 59.77,80.95 60.03,80.69 60.03,80.19 59.61,79.78 Q1#14.5 ; 53.93,79.78 Q1#14.2
Board_6-Net-(Q1-Pad3): length 12.3
  Top w0.25: Q1#14.3 56.03,78.09 v1(56.38,77.74) 56.38,76.69 57.11,75.97 57.11,74.12 57.03,74.05 Q2#15.3 ; R1#19.1 60.53,78.78 v1(60.53,77.74)
  Bottom w0.25: v1(60.53,77.74) v1(56.38,77.74)
Board_6-Net-(Q1-Pad6): length 8.8
  Top w0.25: R2#4.2 60.88,75.35 Q2#15.6 58.69,76.55 57.61,77.62 57.61,80.35 57.69,80.43 Q1#14.6
Board_6-Out: length 7.4
  Top w0.25: R1#19.2 63.71,79.14 J2#7.2 63.71,75.33 R2#4.1
Board_6-VDD: length 19.4
  Top w0.25: Q2#15.4 60.89,74.05 61.7,74.86 61.7,79.41 62.92,80.63 64.77,80.63 ; 64.77,80.63 61.09,80.63 59.59,79.13 Q1#14.4 ; 64.77,80.63 J2#7.1
Board_6-VSS: length 17.5
  Top w0.25: Q2#15.1 55.45,75.92 v1(55.45,76.73) ; Q1#14.1 57.03,80.43 57.11,80.35 57.11,77.11 v1(57.49,76.73)
  Bottom w0.25: J2#7.3 59.52,74.7 v1(57.49,76.73) v1(55.45,76.73)
Board_7-A: length 9.3
  Top w0.25: 72.44,74.7 73.62,73.52 75.84,73.52 76.12,73.81 76.12,74.62 76.2,74.7 Q2#23.5 ; 72.44,74.7 J1#16.3 ; 72.44,74.7 Q2#23.2
Board_7-B: length 11.8
  Top w0.25: 72.44,79.78 73.62,80.95 78.28,80.95 78.54,80.69 78.54,80.19 78.12,79.78 Q1#6.5 ; 72.44,79.78 Q1#6.2 ; 72.44,79.78 J1#16.1
Board_7-Net-(Q1-Pad3): length 12.3
  Top w0.25: Q1#6.3 74.54,78.09 v1(74.89,77.74) 74.89,76.69 75.61,75.97 75.61,74.12 75.54,74.05 Q2#23.3 ; R1#32.1 79.05,78.78 v1(79.05,77.74)
  Bottom w0.25: v1(79.05,77.74) v1(74.89,77.74)
Board_7-Net-(Q1-Pad6): length 8.8
  Top w0.25: Q1#6.6 76.2,80.43 76.12,80.35 76.12,77.62 77.2,76.55 Q2#23.6 79.39,75.35 R2#14.2
Board_7-Out: length 7.4
  Top w0.25: R1#32.2 82.22,79.14 J2#27.2 82.22,75.33 R2#14.1
Board_7-VDD: length 19.4
  Top w0.25: Q1#6.4 78.1,79.13 79.6,80.63 83.28,80.63 ; 83.28,80.63 J2#27.1 ; 83.28,80.63 81.43,80.63 80.22,79.41 80.22,74.86 79.4,74.05 Q2#23.4
Board_7-VSS: length 17.5
  Top w0.25: Q2#23.1 73.97,75.92 v1(73.97,76.73) ; Q1#6.1 75.54,80.43 75.61,80.35 75.61,77.11 v1(76,76.73)
  Bottom w0.25: v1(73.97,76.73) v1(76,76.73) 78.03,74.7 J2#27.3